# Altium PCB RTM_SFP.PcbDoc (part 8 of 17)
Units mil, origin at the board's own origin, x right, y up, seen from the top; angles counter-clockwise.
Board outline 7185 x 5846.5 mil, 4 copper layers (Top Layer, MidPlane_1, MidPlane_2, Bottom Layer), stack 63.553 mil thick; 389 components, 333 nets, 1578 pads, 1486 vias.
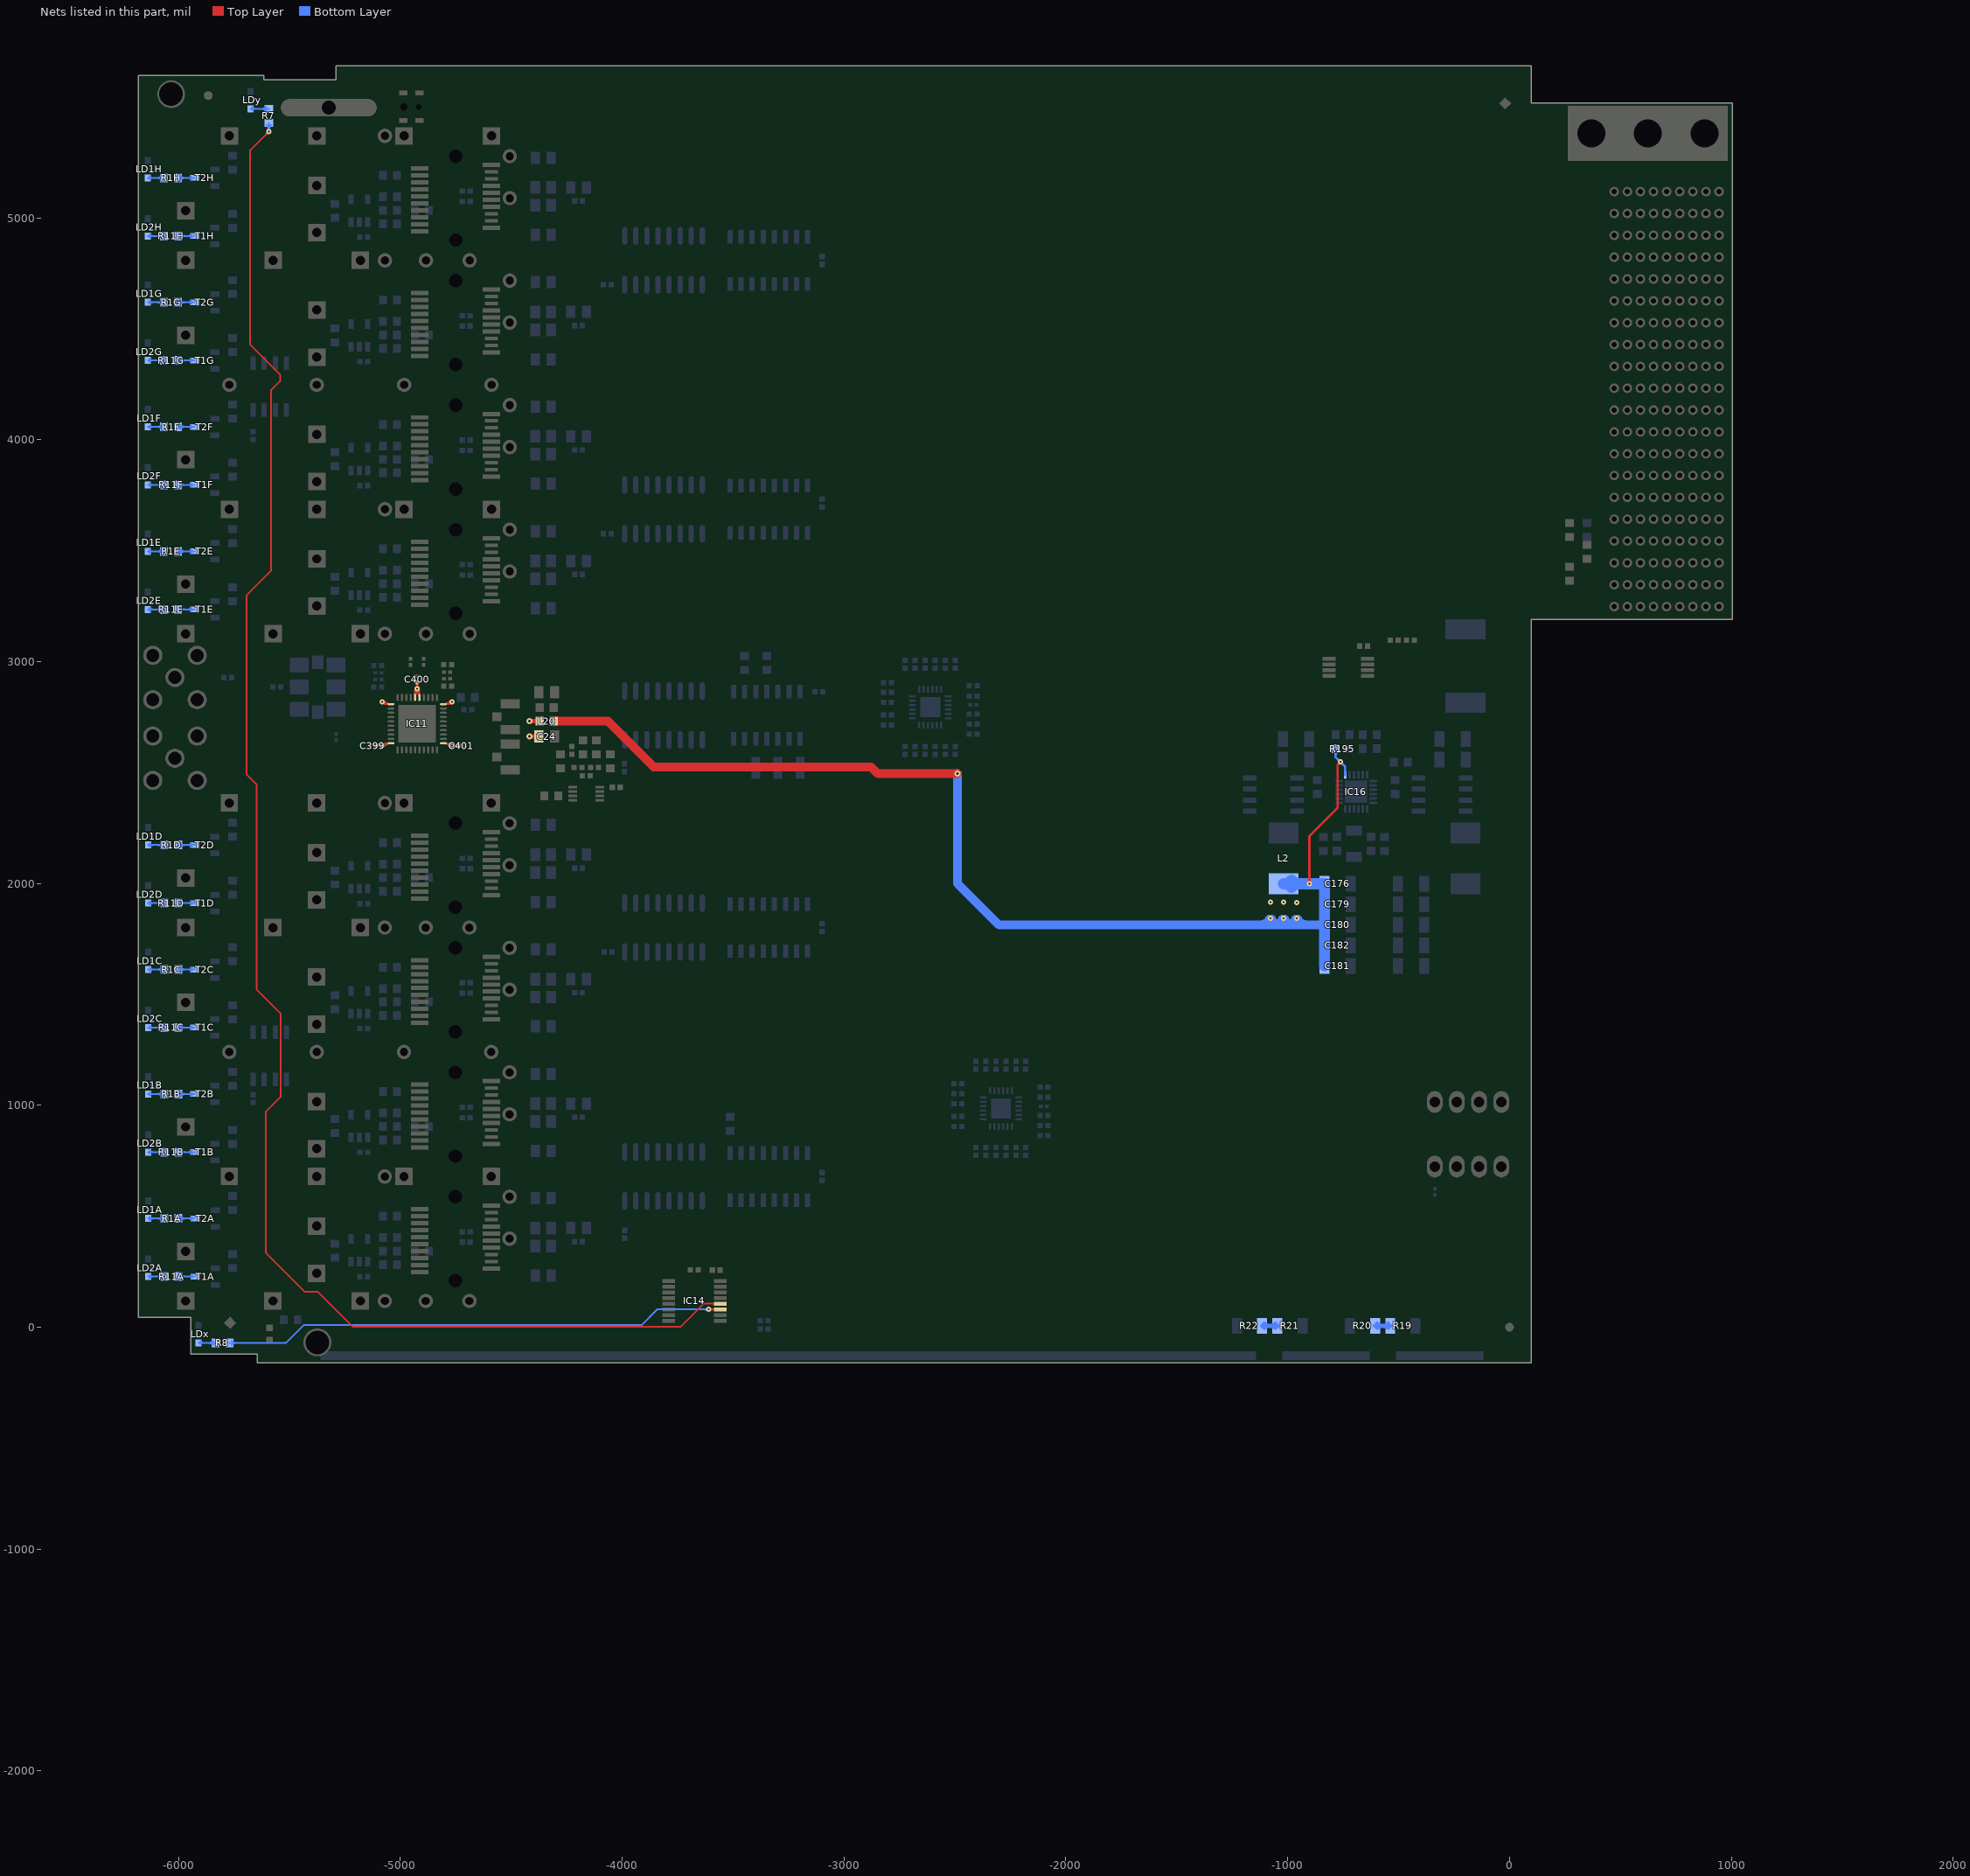
[diagram p10: the nets of this part, all layers, seen from the top]

## Via types
v1: diameter 23.62, hole 7.87, Top Layer to Bottom Layer, tented both sides, 1401 vias
v2: diameter 27.56, hole 11.81, Top Layer to Bottom Layer, tented both sides, 59 vias
v3: diameter 25.98, hole 12.99, Top Layer to Bottom Layer, tented top, 24 vias
v4: diameter 23.62, hole 11.81, Top Layer to Bottom Layer, tented both sides, 2 vias

## Nets (pads, with @x,y where several pads share a name; then routed paths per layer and width w, separated by ;. In a path a pad name is that pad's centre, name@x,y a point inside that pad or via, vN(x,y) a via of type N, cw(c..) or ccw(c..) an arc to the next point about the centre after c; other vN are vias at no path point) (continued)
NetLD1A_1: LD1A.1 R1A.2 | length 163
  Bottom Layer w7.99: LD1A.1@-6137.22,490.11 R1A.2@-6063.4,490.11 ; LD1A.1@-6130.3,483.19 cw(c-6113.6,466.49) -6113.6,490.11 cw(c-6113.6,513.73) LD1A.1@-6130.3,497.03 ; R1A.2@-6073.1,480.41 ccw(c-6096.53,456.99) -6096.53,490.11 ccw(c-6096.53,523.23) R1A.2@-6073.1,499.81
NetLD1B_1: LD1B.1 R1B.2 | length 163
  Bottom Layer w7.99: LD1B.1@-6137.8,1051.18 R1B.2@-6063.98,1051.18 ; LD1B.1@-6130.88,1044.26 cw(c-6114.18,1027.56) -6114.18,1051.18 cw(c-6114.18,1074.8) LD1B.1@-6130.88,1058.1 ; R1B.2@-6073.68,1041.48 ccw(c-6097.1,1018.06) -6097.1,1051.18 ccw(c-6097.1,1084.31) R1B.2@-6073.68,1060.88
NetLD1C_1: LD1C.1 R1C.2 | length 163
  Bottom Layer w7.99: LD1C.1@-6137.8,1612.2 R1C.2@-6063.98,1612.2 ; LD1C.1@-6130.88,1605.29 cw(c-6114.18,1588.59) -6114.18,1612.2 cw(c-6114.18,1635.82) LD1C.1@-6130.88,1619.12 ; R1C.2@-6073.68,1602.5 ccw(c-6097.1,1579.08) -6097.1,1612.2 ccw(c-6097.1,1645.33) R1C.2@-6073.68,1621.91
NetLD1D_1: LD1D.1 R1D.2 | length 163
  Bottom Layer w7.99: LD1D.1@-6137.8,2173.23 R1D.2@-6063.98,2173.23 ; LD1D.1@-6130.88,2166.31 cw(c-6114.18,2149.61) -6114.18,2173.23 cw(c-6114.18,2196.85) LD1D.1@-6130.88,2180.15 ; R1D.2@-6073.68,2163.53 ccw(c-6097.1,2140.1) -6097.1,2173.23 ccw(c-6097.1,2206.35) R1D.2@-6073.68,2182.93
NetLD1E_1: LD1E.1 R1E.2 | length 163
  Bottom Layer w7.99: LD1E.1@-6138.78,3497.05 R1E.2@-6064.96,3497.05 ; LD1E.1@-6131.86,3490.13 cw(c-6115.16,3473.43) -6115.16,3497.05 cw(c-6115.16,3520.67) LD1E.1@-6131.86,3503.97 ; R1E.2@-6074.66,3487.35 ccw(c-6098.08,3463.92) -6098.08,3497.05 ccw(c-6098.09,3530.17) R1E.2@-6074.66,3506.75
NetLD1F_1: LD1F.1 R1F.2 | length 163
  Bottom Layer w7.99: LD1F.1@-6138.78,4058.07 R1F.2@-6064.96,4058.07 ; LD1F.1@-6131.86,4051.15 cw(c-6115.16,4034.45) -6115.16,4058.07 cw(c-6115.16,4081.69) LD1F.1@-6131.86,4064.99 ; R1F.2@-6074.66,4048.37 ccw(c-6098.08,4024.95) -6098.08,4058.07 ccw(c-6098.09,4091.2) R1F.2@-6074.66,4067.77
NetLD1G_1: LD1G.1 R1G.2 | length 163
  Bottom Layer w7.99: LD1G.1@-6138.78,4619.09 R1G.2@-6064.96,4619.09 ; LD1G.1@-6131.86,4612.18 cw(c-6115.16,4595.48) -6115.16,4619.09 cw(c-6115.16,4642.71) LD1G.1@-6131.86,4626.01 ; R1G.2@-6074.66,4609.39 ccw(c-6098.08,4585.97) -6098.08,4619.09 ccw(c-6098.09,4652.22) R1G.2@-6074.66,4628.8
NetLD1H_1: LD1H.1 R1H.2 | length 163
  Bottom Layer w7.99: LD1H.1@-6138.78,5180.12 R1H.2@-6064.96,5180.12 ; LD1H.1@-6131.86,5173.2 cw(c-6115.16,5156.5) -6115.16,5180.12 cw(c-6115.16,5203.74) LD1H.1@-6131.86,5187.04 ; R1H.2@-6074.66,5170.42 ccw(c-6098.08,5146.99) -6098.08,5180.12 ccw(c-6098.09,5213.24) R1H.2@-6074.66,5189.82
NetLD2A_1: LD2A.1 R11A.2 | length 163
  Bottom Layer w7.99: LD2A.1@-6137.22,228.3 R11A.2@-6063.4,228.3 ; LD2A.1@-6130.3,221.38 cw(c-6113.6,204.68) -6113.6,228.3 cw(c-6113.6,251.92) LD2A.1@-6130.3,235.22 ; R11A.2@-6073.1,218.6 ccw(c-6096.52,195.18) -6096.52,228.3 ccw(c-6096.53,261.42) R11A.2@-6073.1,238
NetLD2B_1: LD2B.1 R11B.2 | length 163
  Bottom Layer w7.99: LD2B.1@-6137.8,789.37 R11B.2@-6063.98,789.37 ; LD2B.1@-6130.88,782.45 cw(c-6114.18,765.75) -6114.18,789.37 cw(c-6114.18,812.99) LD2B.1@-6130.88,796.29 ; R11B.2@-6073.68,779.67 ccw(c-6097.1,756.25) -6097.1,789.37 ccw(c-6097.1,822.5) R11B.2@-6073.68,799.07
NetLD2C_1: LD2C.1 R11C.2 | length 163
  Bottom Layer w7.99: LD2C.1@-6137.8,1350.39 R11C.2@-6063.98,1350.39 ; LD2C.1@-6130.88,1343.48 cw(c-6114.18,1326.77) -6114.18,1350.39 cw(c-6114.18,1374.01) LD2C.1@-6130.88,1357.31 ; R11C.2@-6073.68,1340.69 ccw(c-6097.1,1317.27) -6097.1,1350.39 ccw(c-6097.1,1383.52) R11C.2@-6073.68,1360.1
NetLD2D_1: LD2D.1 R11D.2 | length 163
  Bottom Layer w7.99: LD2D.1@-6137.8,1911.42 R11D.2@-6063.98,1911.42 ; LD2D.1@-6130.88,1904.5 cw(c-6114.18,1887.8) -6114.18,1911.42 cw(c-6114.18,1935.04) LD2D.1@-6130.88,1918.34 ; R11D.2@-6073.68,1901.72 ccw(c-6097.1,1878.29) -6097.1,1911.42 ccw(c-6097.1,1944.54) R11D.2@-6073.68,1921.12
NetLD2E_1: LD2E.1 R11E.2 | length 163
  Bottom Layer w7.99: LD2E.1@-6138.78,3235.24 R11E.2@-6064.96,3235.24 ; LD2E.1@-6131.86,3228.32 cw(c-6115.16,3211.62) -6115.16,3235.24 cw(c-6115.16,3258.86) LD2E.1@-6131.86,3242.15 ; R11E.2@-6074.66,3225.54 ccw(c-6098.08,3202.11) -6098.08,3235.24 ccw(c-6098.09,3268.36) R11E.2@-6074.66,3244.94
NetLD2F_1: LD2F.1 R11F.2 | length 163
  Bottom Layer w7.99: LD2F.1@-6138.78,3796.26 R11F.2@-6064.96,3796.26 ; LD2F.1@-6131.86,3789.34 cw(c-6115.16,3772.64) -6115.16,3796.26 cw(c-6115.16,3819.88) LD2F.1@-6131.86,3803.18 ; R11F.2@-6074.66,3786.56 ccw(c-6098.08,3763.14) -6098.08,3796.26 ccw(c-6098.09,3829.39) R11F.2@-6074.66,3805.96
NetLD2G_1: LD2G.1 R11G.2 | length 163
  Bottom Layer w7.99: LD2G.1@-6138.78,4357.28 R11G.2@-6064.96,4357.28 ; LD2G.1@-6131.86,4350.37 cw(c-6115.16,4333.66) -6115.16,4357.28 cw(c-6115.16,4380.9) LD2G.1@-6131.86,4364.2 ; R11G.2@-6074.66,4347.58 ccw(c-6098.08,4324.16) -6098.08,4357.28 ccw(c-6098.09,4390.41) R11G.2@-6074.66,4366.99
NetLD2H_1: LD2H.1 R11H.2 | length 163
  Bottom Layer w7.99: LD2H.1@-6138.78,4918.31 R11H.2@-6064.96,4918.31 ; LD2H.1@-6131.86,4911.39 cw(c-6115.16,4894.69) -6115.16,4918.31 cw(c-6115.16,4941.93) LD2H.1@-6131.86,4925.23 ; R11H.2@-6074.66,4908.61 ccw(c-6098.08,4885.18) -6098.08,4918.31 ccw(c-6098.09,4951.43) R11H.2@-6074.66,4928.01
NetR1A_1: R1A.1 T2A.3 | length 160.2
  Bottom Layer w7.99: R1A.1@-6000.41,490.11 T2A.3@-5925.61,490.11 ; R1A.1@-5990.71,480.41 cw(c-5967.29,456.98) -5967.29,490.11 cw(c-5967.29,523.23) R1A.1@-5990.71,499.81 ; T2A.3@-5939.7,483.89 ccw(c-5954.72,468.87) -5954.72,490.11 ccw(c-5954.72,511.35) T2A.3@-5939.7,496.33
NetR1B_1: R1B.1 T2B.3 | length 160.2
  Bottom Layer w7.99: R1B.1@-6000.98,1051.18 T2B.3@-5926.18,1051.18 ; R1B.1@-5991.28,1041.48 cw(c-5967.86,1018.06) -5967.86,1051.18 cw(c-5967.86,1084.31) R1B.1@-5991.28,1060.88 ; T2B.3@-5940.28,1044.96 ccw(c-5955.3,1029.94) -5955.3,1051.18 ccw(c-5955.3,1072.42) T2B.3@-5940.28,1057.4
NetR1C_1: R1C.1 T2C.3 | length 160.2
  Bottom Layer w7.99: R1C.1@-6000.98,1612.2 T2C.3@-5926.18,1612.2 ; R1C.1@-5991.28,1602.5 cw(c-5967.86,1579.08) -5967.86,1612.2 cw(c-5967.86,1645.33) R1C.1@-5991.28,1621.91 ; T2C.3@-5940.28,1605.98 ccw(c-5955.3,1590.96) -5955.3,1612.2 ccw(c-5955.3,1633.45) T2C.3@-5940.28,1618.43
NetR1D_1: R1D.1 T2D.3 | length 160.2
  Bottom Layer w7.99: R1D.1@-6000.98,2173.23 T2D.3@-5926.18,2173.23 ; R1D.1@-5991.28,2163.53 cw(c-5967.86,2140.1) -5967.86,2173.23 cw(c-5967.86,2206.35) R1D.1@-5991.28,2182.93 ; T2D.3@-5940.28,2167.01 ccw(c-5955.3,2151.98) -5955.3,2173.23 ccw(c-5955.3,2194.47) T2D.3@-5940.28,2179.45
NetR1E_1: R1E.1 T2E.3 | length 160.2
  Bottom Layer w7.99: R1E.1@-6001.97,3497.05 T2E.3@-5927.17,3497.05 ; R1E.1@-5992.27,3487.35 cw(c-5968.84,3463.92) -5968.84,3497.05 cw(c-5968.84,3530.17) R1E.1@-5992.27,3506.75 ; T2E.3@-5941.26,3490.83 ccw(c-5956.28,3475.8) -5956.28,3497.05 ccw(c-5956.28,3518.29) T2E.3@-5941.26,3503.27
NetR1F_1: R1F.1 T2F.3 | length 160.2
  Bottom Layer w7.99: R1F.1@-6001.97,4058.07 T2F.3@-5927.17,4058.07 ; R1F.1@-5992.27,4048.37 cw(c-5968.84,4024.95) -5968.84,4058.07 cw(c-5968.84,4091.2) R1F.1@-5992.27,4067.77 ; T2F.3@-5941.26,4051.85 ccw(c-5956.28,4036.83) -5956.28,4058.07 ccw(c-5956.28,4079.31) T2F.3@-5941.26,4064.29
NetR1G_1: R1G.1 T2G.3 | length 160.2
  Bottom Layer w7.99: R1G.1@-6001.97,4619.09 T2G.3@-5927.17,4619.09 ; R1G.1@-5992.27,4609.39 cw(c-5968.84,4585.97) -5968.84,4619.09 cw(c-5968.84,4652.22) R1G.1@-5992.27,4628.8 ; T2G.3@-5941.26,4612.87 ccw(c-5956.28,4597.85) -5956.28,4619.09 ccw(c-5956.28,4640.34) T2G.3@-5941.26,4625.32
NetR1H_1: R1H.1 T2H.3 | length 160.2
  Bottom Layer w7.99: R1H.1@-6001.97,5180.12 T2H.3@-5927.17,5180.12 ; R1H.1@-5992.27,5170.42 cw(c-5968.84,5146.99) -5968.84,5180.12 cw(c-5968.84,5213.24) R1H.1@-5992.27,5189.82 ; T2H.3@-5941.26,5173.9 ccw(c-5956.28,5158.87) -5956.28,5180.12 ccw(c-5956.28,5201.36) T2H.3@-5941.26,5186.34
NetR11A_1: R11A.1 T1A.3 | length 160.2
  Bottom Layer w7.99: R11A.1@-6000.41,228.3 T1A.3@-5925.61,228.3 ; R11A.1@-5990.71,218.6 cw(c-5967.29,195.17) -5967.29,228.3 cw(c-5967.29,261.42) R11A.1@-5990.71,238 ; T1A.3@-5939.7,222.08 ccw(c-5954.72,207.05) -5954.72,228.3 ccw(c-5954.72,249.54) T1A.3@-5939.7,234.52
NetR11B_1: R11B.1 T1B.3 | length 160.2
  Bottom Layer w7.99: R11B.1@-6000.98,789.37 T1B.3@-5926.18,789.37 ; R11B.1@-5991.28,779.67 cw(c-5967.86,756.25) -5967.86,789.37 cw(c-5967.86,822.49) R11B.1@-5991.28,799.07 ; T1B.3@-5940.28,783.15 ccw(c-5955.3,768.13) -5955.3,789.37 ccw(c-5955.3,810.61) T1B.3@-5940.28,795.59
NetR11C_1: R11C.1 T1C.3 | length 160.2
  Bottom Layer w7.99: R11C.1@-6000.98,1350.39 T1C.3@-5926.18,1350.39 ; R11C.1@-5991.28,1340.69 cw(c-5967.86,1317.27) -5967.86,1350.39 cw(c-5967.86,1383.52) R11C.1@-5991.28,1360.1 ; T1C.3@-5940.28,1344.17 ccw(c-5955.3,1329.15) -5955.3,1350.39 ccw(c-5955.3,1371.64) T1C.3@-5940.28,1356.62
NetR11D_1: R11D.1 T1D.3 | length 160.2
  Bottom Layer w7.99: R11D.1@-6000.98,1911.42 T1D.3@-5926.18,1911.42 ; R11D.1@-5991.28,1901.72 cw(c-5967.86,1878.29) -5967.86,1911.42 cw(c-5967.86,1944.54) R11D.1@-5991.28,1921.12 ; T1D.3@-5940.28,1905.2 ccw(c-5955.3,1890.17) -5955.3,1911.42 ccw(c-5955.3,1932.66) T1D.3@-5940.28,1917.64
NetR11E_1: R11E.1 T1E.3 | length 160.2
  Bottom Layer w7.99: R11E.1@-6001.97,3235.24 T1E.3@-5927.17,3235.24 ; R11E.1@-5992.27,3225.54 cw(c-5968.84,3202.11) -5968.84,3235.24 cw(c-5968.84,3268.36) R11E.1@-5992.27,3244.94 ; T1E.3@-5941.26,3229.01 ccw(c-5956.28,3213.99) -5956.28,3235.24 ccw(c-5956.28,3256.48) T1E.3@-5941.26,3241.46
NetR11F_1: R11F.1 T1F.3 | length 160.2
  Bottom Layer w7.99: R11F.1@-6001.97,3796.26 T1F.3@-5927.17,3796.26 ; R11F.1@-5992.27,3786.56 cw(c-5968.84,3763.14) -5968.84,3796.26 cw(c-5968.84,3829.38) R11F.1@-5992.27,3805.96 ; T1F.3@-5941.26,3790.04 ccw(c-5956.28,3775.02) -5956.28,3796.26 ccw(c-5956.28,3817.5) T1F.3@-5941.26,3802.48
NetR11G_1: R11G.1 T1G.3 | length 160.2
  Bottom Layer w7.99: R11G.1@-6001.97,4357.28 T1G.3@-5927.17,4357.28 ; R11G.1@-5992.27,4347.58 cw(c-5968.84,4324.16) -5968.84,4357.28 cw(c-5968.84,4390.41) R11G.1@-5992.27,4366.99 ; T1G.3@-5941.26,4351.06 ccw(c-5956.28,4336.04) -5956.28,4357.28 ccw(c-5956.28,4378.53) T1G.3@-5941.26,4363.51
NetR11H_1: R11H.1 T1H.3 | length 160.2
  Bottom Layer w7.99: R11H.1@-6001.97,4918.31 T1H.3@-5927.17,4918.31 ; R11H.1@-5992.27,4908.61 cw(c-5968.84,4885.18) -5968.84,4918.31 cw(c-5968.84,4951.43) R11H.1@-5992.27,4928.01 ; T1H.3@-5941.26,4912.09 ccw(c-5956.28,4897.06) -5956.28,4918.31 ccw(c-5956.28,4939.55) T1H.3@-5941.26,4924.53
NetR19_2: R19.2 R20.1 | length 165.9
  Bottom Layer w19.68: R20.1@-606.31,6.35 R19.2@-537.42,6.35 ; R20.1@-597.27,-2.69 cw(c-575.42,-24.54) -575.42,6.35 cw(c-575.42,37.24) R20.1@-597.27,15.4 ; R19.2@-546.46,-2.69 ccw(c-568.31,-24.54) -568.31,6.35 ccw(c-568.31,37.24) R19.2@-546.46,15.4
NetR21_2: R21.2 R22.1 | length 165.7
  Bottom Layer w19.68: R22.1@-1114.98,6.35 R21.2@-1046.28,6.35 ; R22.1@-1105.93,-2.69 cw(c-1084.09,-24.54) -1084.09,6.35 cw(c-1084.09,37.24) R22.1@-1105.93,15.4 ; R21.2@-1055.32,-2.69 ccw(c-1077.17,-24.54) -1077.17,6.35 ccw(c-1077.17,37.24) R21.2@-1055.32,15.4
P2: IC14.12 R7.1 | length 7840.6
  Top Layer w7.99: -5603.69,5378.62 cw(c-5590.63,5375.12) v1@-5593.34,5388.36 ; -5602.88,5377.81 ccw(c-5606.37,5390.86) v1@-5593.13,5388.15 ; v1(-5593.31,5388.19) -5678.06,5303.44 -5678.06,4429.73 -5541.99,4293.66 -5541.99,4263.7 -5583.65,4222.05 -5583.65,3409.31 -5692.67,3300.28 -5692.67,2491.06 -5648.61,2446.99 -5648.61,1523.02 -5540.55,1414.96 -5540.55,1037.8 -5607.48,970.87 -5607.48,336.1 -5430.83,159.45 -5371.77,159.45 -5213.84,1.51 -3736.68,1.51 -3632.48,105.71 IC14.12@-3558.27,105.71 ; IC14.12@-3581.39,102.27 ccw(c-3589.69,93.97) -3589.69,105.71 ccw(c-3589.69,117.45) IC14.12@-3581.39,109.15 ; -5606.65,5374.85 cw(c-5593.31,5361.51) -5593.31,5380.37 ccw(c-5593.31,5361.51) -5606.65,5374.85 ; -5606.65,5374.85 ccw(c-5619.99,5388.19) -5601.12,5388.19 cw(c-5619.99,5388.19) -5606.65,5374.85
  Bottom Layer w7.99: R7.1@-5603.01,5418.9 cw(c-5626.43,5395.47) -5593.31,5395.47 cw(c-5560.18,5395.47) R7.1@-5583.61,5418.9 ; v1@-5599.73,5392.64 ccw(c-5615.82,5403.81) -5596.9,5408.88 ; v1@-5597.21,5394.96 ccw(c-5603.43,5405.72) -5591.42,5402.5 ; -5595.19,5402.5 ccw(c-5583.18,5405.72) v1@-5589.4,5394.96 ; v1(-5593.31,5388.19) R7.1@-5593.31,5428.6 ; -5589.71,5408.88 ccw(c-5570.8,5403.81) v1@-5586.89,5392.64 ; -5593.31,5407.06 cw(c-5612.17,5407.06) -5598.83,5393.72 ccw(c-5612.17,5407.06) -5593.31,5407.06 ; -5593.31,5407.06 ccw(c-5574.44,5407.06) -5587.78,5393.72 cw(c-5574.44,5407.06) -5593.31,5407.06
P2_BLUE: LDy.1 R7.2 | length 171.1
  Bottom Layer w7.99: LDy.1@-5675.25,5491.59 R7.2@-5593.31,5491.59 ; LDy.1@-5668.33,5484.67 cw(c-5651.63,5467.97) -5651.63,5491.59 cw(c-5651.63,5515.21) LDy.1@-5668.33,5498.51 ; R7.2@-5604.98,5481.89 ccw(c-5628.4,5458.47) -5628.4,5491.59 ccw(c-5628.4,5524.71) R7.2@-5604.98,5501.29
P2V5: C176.2 C179.2 C180.2 C181.2 C182.2 IC16.1 L2.2 L20.1 R195.1 | length 6565.5
  Top Layer w10: v1(-901.97,1998.82) -901.97,2213.39 -775.07,2340.29 -775.07,2534.38 v1(-761.81,2547.64) ; -901.97,2015.26 cw(c-918.41,2015.26) -906.78,2003.63 ccw(c-918.41,2015.26) -901.97,2015.26 ; -901.97,2015.26 ccw(c-885.53,2015.26) -897.15,2003.63 cw(c-885.53,2015.26) -901.97,2015.26 ; -773.44,2536.01 cw(c-761.81,2524.38) -761.81,2540.83 ccw(c-761.81,2524.38) -773.44,2536.01 ; -773.44,2536.01 ccw(c-785.07,2547.64) -768.62,2547.64 cw(c-785.07,2547.64) -773.44,2536.01
  Top Layer w39.37: L20.1@-4308.27,2731.5 -4064.17,2731.5 -3858.27,2525.59 -2878.35,2525.59 -2847.24,2494.49 v2(-2488.58,2494.49)
  Bottom Layer w10: R195.1@-792.85,2596.52 cw(c-814.56,2574.81) -783.86,2574.81 cw(c-753.16,2574.81) R195.1@-774.87,2596.52 ; R195.1@-783.86,2607.48 -783.86,2569.29 -740.55,2525.98 IC16.1@-740.55,2489.37 ; -774.11,2559.54 ccw(c-761.81,2571.84) -761.81,2554.45 cw(c-761.81,2571.84) -774.11,2559.54 ; -773.16,2558.59 cw(c-784.11,2547.64) -768.62,2547.64 ccw(c-784.11,2547.64) -773.16,2558.59 ; v1@-761.81,2540.83 cw(c-761.81,2525.33) -750.86,2536.29 ccw(c-761.81,2525.33) v1@-761.81,2540.83 ; v1@-755,2547.64 ccw(c-737.61,2547.64) -749.91,2535.34 cw(c-737.61,2547.64) v1@-755,2547.64
  Bottom Layer w39.37: v2(-2488.58,2494.49) -2488.58,2000 -2302.36,1813.78 C180.2@-833.46,1813.78 ; -1130.79,1813.78 ccw(c-1130.79,1896.93) -1071.99,1838.13 cw(c-1130.79,1896.93) -1130.79,1813.78 ; v1@-1083.13,1838.13 ccw(c-1024.33,1896.93) -1024.33,1813.78 cw(c-1024.33,1896.93) v1@-1083.13,1838.13 ; -1071.73,1813.78 ccw(c-1071.73,1896.93) -1012.94,1838.13 cw(c-1071.73,1896.93) -1071.73,1813.78 ; v1@-1024.07,1838.13 ccw(c-965.28,1896.93) -965.28,1813.78 cw(c-965.28,1896.93) v1@-1024.07,1838.13 ; -1012.68,1813.78 ccw(c-1012.68,1896.93) -953.88,1838.13 cw(c-1012.68,1896.93) -1012.68,1813.78 ; v1@-965.02,1838.13 ccw(c-906.22,1896.93) -906.22,1813.78 cw(c-906.22,1896.93) v1@-965.02,1838.13
  Bottom Layer w50: L2.2@-1018.5,1998.82 v1(-901.97,1998.82) C176.2@-833.46,1998.82 C179.2@-833.46,1906.3 C180.2@-833.46,1813.78 C182.2@-833.46,1721.26 C181.2@-833.46,1628.74 ; L2.2@-983.09,1983.09 cw(c-945.12,1945.12) -945.12,1998.82 cw(c-945.12,2052.52) L2.2@-983.09,2014.55
  other v1: -1077.56,1843.7 -1018.5,1843.7 -959.45,1843.7 -1077.56,1915.35 -1018.5,1915.35 -959.45,1914.57
P2V5_CLEAN: C24.2 C399.2 C400.2 C401.2 IC11.5 IC11.6 IC11.11 IC11.20 IC11.31 IC11.40 L20.2 | length 2052
  Top Layer w7.99: v1@-5082.39,2621.12 ccw(c-5075.67,2630.53) -5069.23,2620.92 ; v1@-5082.39,2819.04 cw(c-5075.67,2809.62) -5069.23,2819.23 ; v1(-5082.28,2621.26) -5072.05,2631.5 ; v1(-5082.28,2818.9) -5072.05,2808.66 ; v1@-5079.73,2628.64 ccw(c-5075.99,2639.44) -5069.63,2629.95 ccw(c-5063.54,2620.87) v1@-5074.47,2621.1 ; v1@-5079.73,2811.51 cw(c-5075.99,2800.72) -5069.63,2810.21 cw(c-5063.54,2819.29) v1@-5074.47,2819.06 ; v1@-5077.75,2627.62 ccw(c-5068.5,2640.59) -5059.63,2627.36 ; v1@-5077.75,2812.54 cw(c-5068.5,2799.57) -5059.63,2812.8 ; -5061.31,2626.46 ccw(c-5064.37,2637.86) IC11.20@-5054.15,2631.96 ; -5061.31,2813.7 cw(c-5064.37,2802.3) IC11.11@-5054.15,2808.2 ; IC11.6@-4934.71,2849.82 ccw(c-4941.14,2860.94) -4928.73,2857.62 ; IC11.6@-4934.25,2838.19 -4934.25,2868.5 ; v1@-4931.8,2875.82 cw(c-4944.57,2871.46) -4933.04,2864.46 cw(c-4922,2857.76) v1@-4923.5,2870.58 ; v1@-4930.83,2873.9 cw(c-4945.72,2863.59) -4930.24,2854.19 ; v1@-4925.32,2870.58 cw(c-4926.82,2857.76) -4915.78,2864.46 cw(c-4904.24,2871.46) v1@-4917.01,2875.82 ; -4924.97,2864.72 cw(c-4914.19,2871.26) v1@-4924.55,2878.45 ; v1@-4924.26,2878.45 cw(c-4934.63,2871.26) -4923.85,2864.72 ; -4920.09,2857.62 ccw(c-4907.68,2860.94) IC11.5@-4914.1,2849.82 ; -4918.58,2854.19 cw(c-4903.1,2863.59) v1@-4917.99,2873.9 ; IC11.5@-4914.57,2838.19 -4914.57,2868.5 ; IC11.31@-4794.67,2631.96 ccw(c-4784.45,2637.86) -4787.51,2626.46 ; IC11.40@-4794.67,2808.2 cw(c-4784.45,2802.3) -4787.51,2813.7 ; -4789.19,2627.36 ccw(c-4780.32,2640.59) v1@-4771.07,2627.62 ; -4789.19,2812.8 cw(c-4780.32,2799.57) v1@-4771.07,2812.54 ; -4779.59,2620.92 ccw(c-4773.15,2630.53) v1@-4766.43,2621.12 ; -4779.59,2819.23 cw(c-4773.15,2809.62) v1@-4766.43,2819.04 ; v1@-4774.35,2621.1 ccw(c-4785.28,2620.87) -4779.19,2629.95 ccw(c-4772.83,2639.44) v1@-4769.09,2628.64 ; v1@-4774.35,2819.06 cw(c-4785.28,2819.29) -4779.19,2810.21 cw(c-4772.83,2800.72) v1@-4769.09,2811.51 ; v1(-4766.54,2621.26) -4776.77,2631.5 ; v1(-4766.54,2818.9) -4776.77,2808.66 ; -5072.05,2631.5 cw(c-5078.76,2638.21) -5080.7,2628.91 ccw(c-5078.76,2638.21) -5072.05,2631.5 ; -5072.05,2631.5 ccw(c-5065.33,2624.78) -5074.63,2622.85 cw(c-5065.33,2624.78) -5072.05,2631.5 ; -5072.05,2631.5 IC11.20@-5042.52,2631.5 ; -5072.05,2808.66 cw(c-5065.33,2815.38) -5074.63,2817.31 ccw(c-5065.33,2815.38) -5072.05,2808.66 ; -5072.05,2808.66 ccw(c-5078.76,2801.95) -5080.7,2811.25 cw(c-5078.76,2801.95) -5072.05,2808.66 ; -5072.05,2808.66 IC11.11@-5042.52,2808.66 ; IC11.20@-5042.52,2631.5 ccw(c-5042.52,2586.49) -5076.4,2616.12 cw(c-5042.52,2586.49) IC11.20@-5042.52,2631.5 ; IC11.11@-5042.52,2808.66 cw(c-5042.52,2853.66) -5076.4,2824.04 ccw(c-5042.52,2853.66) IC11.11@-5042.52,2808.66 ; -4934.25,2868.5 cw(c-4928.25,2862.5) -4926.25,2870.75 ccw(c-4928.25,2862.5) -4934.25,2868.5 ; -4934.25,2868.5 ccw(c-4940.25,2874.51) -4932,2876.51 cw(c-4940.25,2874.51) -4934.25,2868.5 ; -4934.25,2868.5 v1(-4924.41,2878.35) -4914.57,2868.5 ; -4914.57,2868.5 cw(c-4908.57,2874.51) -4916.81,2876.51 ccw(c-4908.57,2874.51) -4914.57,2868.5 ; -4914.57,2868.5 ccw(c-4920.57,2862.5) -4922.57,2870.75 cw(c-4920.57,2862.5) -4914.57,2868.5 ; IC11.31@-4806.3,2631.5 cw(c-4806.3,2586.49) -4772.42,2616.12 ccw(c-4806.3,2586.49) IC11.31@-4806.3,2631.5 ; IC11.31@-4806.3,2631.5 -4776.77,2631.5 ; IC11.40@-4806.3,2808.66 ccw(c-4806.3,2853.66) -4772.42,2824.04 cw(c-4806.3,2853.66) IC11.40@-4806.3,2808.66 ; IC11.40@-4806.3,2808.66 -4776.77,2808.66 ; -4776.77,2631.5 cw(c-4783.49,2624.78) -4774.19,2622.85 ccw(c-4783.49,2624.78) -4776.77,2631.5 ; -4776.77,2631.5 ccw(c-4770.05,2638.21) -4768.12,2628.91 cw(c-4770.05,2638.21) -4776.77,2631.5 ; -4776.77,2808.66 cw(c-4770.05,2801.95) -4768.12,2811.25 ccw(c-4770.05,2801.95) -4776.77,2808.66 ; -4776.77,2808.66 ccw(c-4783.49,2815.38) -4774.19,2817.31 cw(c-4783.49,2815.38) -4776.77,2808.66 ; v1@-5082.42,2621.38 cw(c-5060.13,2601.89) -5060.13,2631.5 ccw(c-5060.13,2601.89) v1@-5082.42,2621.38 ; v1@-5082.42,2818.78 ccw(c-5060.13,2838.27) -5060.13,2808.66 cw(c-5060.13,2838.27) v1@-5082.42,2818.78 ; IC11.6@-4934.25,2837 cw(c-4884.84,2837) -4919.01,2872.7 ccw(c-4884.84,2837) IC11.6@-4934.25,2837 ; -4934.25,2855.72 cw(c-4902.75,2855.72) -4924.53,2878.47 ccw(c-4902.75,2855.72) -4934.25,2855.72 ; v1@-4929.81,2872.7 cw(c-4963.98,2837) -4914.57,2837 ccw(c-4963.98,2837) v1@-4929.81,2872.7 ; v1@-4924.29,2878.47 cw(c-4946.07,2855.72) -4914.57,2855.72 ccw(c-4946.07,2855.72) v1@-4924.29,2878.47 ; -4788.69,2631.5 cw(c-4788.69,2601.89) -4766.4,2621.38 ccw(c-4788.69,2601.89) -4788.69,2631.5 ; -4788.69,2808.66 ccw(c-4788.69,2838.27) -4766.4,2818.78 cw(c-4788.69,2838.27) -4788.69,2808.66
  Top Layer w10: C399.2@-5110.63,2621.26 v1(-5082.28,2621.26) ; v1(-4924.41,2878.35) C400.2@-4924.41,2906.69 ; v1(-4766.54,2621.26) C401.2@-4738.19,2621.26 ; -5098.73,2621.26 cw(c-5098.73,2604.82) -5087.1,2616.44 ccw(c-5098.73,2604.82) -5098.73,2621.26 ; -5098.73,2621.26 ccw(c-5098.73,2637.7) -5087.1,2626.08 cw(c-5098.73,2637.7) -5098.73,2621.26 ; -4924.41,2894.79 cw(c-4940.85,2894.79) -4929.23,2883.16 ccw(c-4940.85,2894.79) -4924.41,2894.79 ; -4924.41,2894.79 ccw(c-4907.97,2894.79) -4919.59,2883.16 cw(c-4907.97,2894.79) -4924.41,2894.79 ; -4750.09,2621.26 cw(c-4750.09,2637.7) -4761.72,2626.08 ccw(c-4750.09,2637.7) -4750.09,2621.26 ; -4750.09,2621.26 ccw(c-4750.09,2604.82) -4761.72,2616.44 cw(c-4750.09,2604.82) -4750.09,2621.26
  Top Layer w19.68: v2(-4418.5,2662.6) C24.2@-4375.2,2662.6 ; v2(-4418.5,2731.5) L20.2@-4371.26,2731.5 ; C24.2@-4382.85,2654.94 ccw(c-4401.34,2636.46) -4401.34,2662.6 ccw(c-4401.34,2688.74) C24.2@-4382.85,2670.25 ; L20.2@-4377.52,2725.23 ccw(c-4392.65,2710.11) -4392.65,2731.5 ccw(c-4392.65,2752.88) L20.2@-4377.52,2737.76
P3: IC14.11 R8.1 | length 2463.8
  Top Layer w7.99: v1(-3610.43,80.12) IC14.11@-3558.27,80.12 ; IC14.11@-3581.39,76.68 ccw(c-3589.69,68.38) -3589.69,80.12 ccw(c-3589.69,91.86) IC14.11@-3581.39,83.56 ; -3591.57,80.12 cw(c-3591.57,98.99) -3604.91,85.64 ccw(c-3591.57,98.99) -3591.57,80.12 ; -3591.57,80.12 ccw(c-3591.57,61.25) -3604.91,74.59 cw(c-3591.57,61.25) -3591.57,80.12
  Bottom Layer w7.99: R8.1@-5770.68,-70.42 -5515.3,-70.42 -5435.43,9.45 -3913.39,9.45 -3842.72,80.12 v1(-3610.43,80.12) ; R8.1@-5760.98,-80.12 cw(c-5737.56,-103.54) -5737.56,-70.42 cw(c-5737.56,-37.29) R8.1@-5760.98,-60.72 ; -3629.3,80.12 cw(c-3629.3,61.25) -3615.96,74.59 ccw(c-3629.3,61.25) -3629.3,80.12 ; -3629.3,80.12 ccw(c-3629.3,98.99) -3615.96,85.64 cw(c-3629.3,98.99) -3629.3,80.12
P3_GREEN: LDx.1 R8.2 | length 165
  Bottom Layer w7.99: LDx.1@-5909.5,-70.42 R8.2@-5833.68,-70.42 ; LDx.1@-5902.58,-77.34 cw(c-5885.88,-94.04) -5885.88,-70.42 cw(c-5885.88,-46.8) LDx.1@-5902.58,-63.5 ; R8.2@-5843.38,-80.12 ccw(c-5866.8,-103.54) -5866.8,-70.42 ccw(c-5866.8,-37.29) R8.2@-5843.38,-60.72